# Altium PCB PCB.PcbDoc (part 7 of 10)
Units mil, origin at the board's own origin, x right, y up, seen from the top; angles counter-clockwise.
Board outline 3945.89 x 2165.35 mil, 8 copper layers (Component Side, PWR, Signal 1, Signal 2, GND1, Signal 3, GND2, Solder Side), stack 68.504 mil thick; 329 components, 323 nets, 1378 pads, 692 vias.
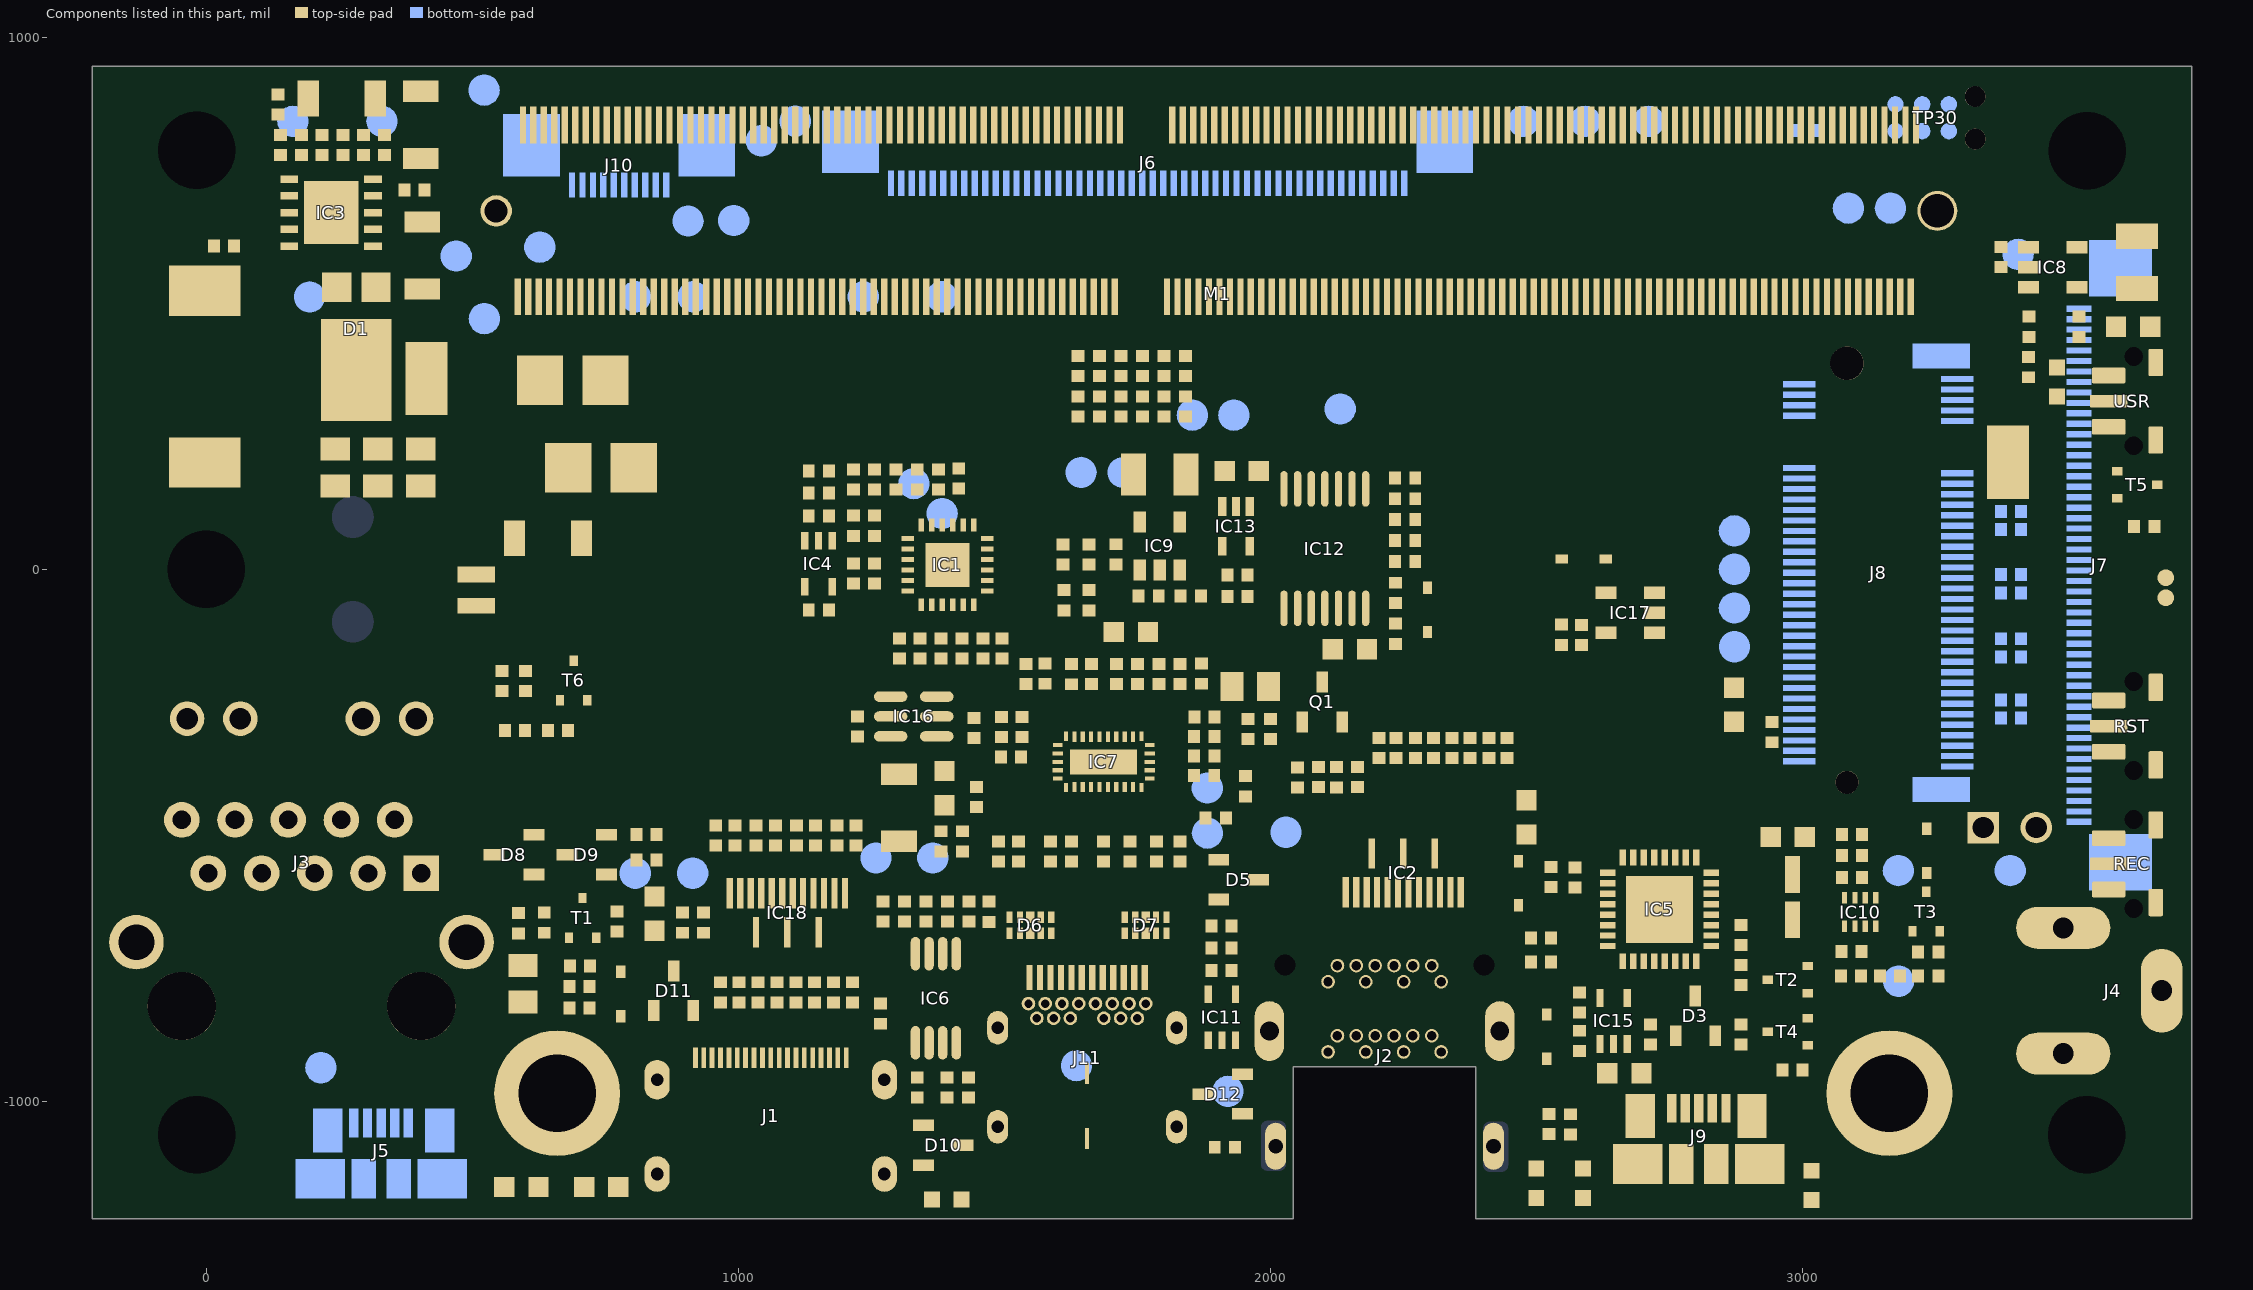
[diagram p13: the components of this part, seen from the top]

## Via types
v1: diameter 19.68, hole 5.91, Component Side to Solder Side, 599 vias
v2: diameter 23.62, hole 9.84, Component Side to Solder Side, 90 vias
v3: diameter 19.68, hole 7.87, Component Side to Solder Side, 3 vias

## Nets (pads, with @x,y where several pads share a name; then routed paths per layer and width w, separated by ;. In a path a pad name is that pad's centre, name@x,y a point inside that pad or via, vN(x,y) a via of type N, cw(c..) or ccw(c..) an arc to the next point about the centre after c; other vN are vias at no path point) (continued)
copper on no net: (continued)
  Solder Side w0.36: -155.36,362.06 -131.86,362.06 ; -155.36,362.42 -131.86,362.42 ; -155.36,362.79 -131.86,362.79 ; -155.36,363.15 -131.86,363.15 ; -155.36,363.51 -131.86,363.51 ; -155.36,363.87 -131.86,363.87 ; -155.36,364.23 -131.86,364.23 ; -155.36,364.59 -131.86,364.59 ; -155.36,364.95 -131.86,364.95 ; -155.36,365.32 -131.86,365.32 ; -155.36,365.68 -131.86,365.68 ; -155.36,366.04 -131.86,366.04 ; -155.36,366.4 -131.86,366.4 ; -155.36,366.76 -149.57,366.76 ; -154.99,367.12 -149.57,367.12 ; -154.99,367.49 -149.57,367.49 ; -154.99,367.85 -149.57,367.85 ; -154.99,368.21 -149.57,368.21 ; -154.99,368.57 -149.57,368.57 ; -154.99,368.93 -149.21,368.93 ; -154.99,369.29 -149.21,369.29 ; -154.99,369.65 -149.21,369.65 ; -154.63,354.11 -134.39,354.11 ; -154.63,370.02 -148.85,370.02 ; -154.63,370.38 -148.85,370.38 ; -154.63,370.74 -148.49,370.74 ; -154.27,353.75 -134.75,353.75 ; -154.27,371.1 -148.13,371.1 ; -154.27,371.46 -148.13,371.46 ; -154.27,371.82 -147.76,371.82 ; -153.91,353.39 -135.11,353.39 ; -153.91,354.47 -134.03,354.47 ; -153.91,372.18 -147.4,372.18 ; -153.91,372.55 -146.68,372.55 ; -153.55,353.03 -135.47,353.03 ; -153.55,354.83 -145.96,354.83 ; -153.55,372.91 -145.96,372.91 ; -153.55,373.27 -144.87,373.27 ; -153.19,352.66 -135.84,352.66 ; -153.19,355.19 -147.04,355.19 ; -153.19,373.63 -134.39,373.63 ; -152.83,352.3 -135.84,352.3 ; -152.83,355.56 -148.13,355.56 ; -152.83,373.99 -134.39,373.99 ; -152.46,351.94 -136.56,351.94 ; -152.46,355.92 -148.49,355.92 ; -152.46,374.35 -134.75,374.35 ; -152.1,374.72 -135.11,374.72 ; -152.1,375.08 -135.47,375.08 ; -151.74,351.58 -136.92,351.58 ; -151.74,356.28 -149.21,356.28 ; -151.74,375.44 -135.47,375.44 ; -151.38,356.64 -149.57,356.64 ; -151.02,351.22 -137.64,351.22 ; -151.02,357 -150.3,357 ; -151.02,375.8 -136.2,375.8 ; -150.66,376.16 -136.56,376.16 ; -150.3,350.86 -138.37,350.86 ; -150.3,376.52 -136.92,376.52 ; -149.57,350.5 -139.09,350.5 ; -149.57,376.88 -137.28,376.88 ; -148.85,377.25 -138,377.25 ; -148.49,350.13 -139.81,350.13 ; -148.13,377.61 -138.73,377.61 ; -147.4,349.77 -141.62,349.77 ; -147.4,377.97 -139.81,377.97 ; -145.96,378.33 -141.26,378.33 ; -142.7,354.83 -134.03,354.83 ; -141.98,373.27 -134.03,373.27 ; -141.26,355.19 -133.67,355.19 ; -140.9,372.91 -133.67,372.91 ; -140.53,355.56 -133.67,355.56 ; -140.17,355.92 -133.3,355.92 ; -140.17,372.55 -133.67,372.55 ; -139.81,372.18 -133.67,372.18 ; -139.45,356.28 -133.3,356.28 ; -139.45,371.82 -133.3,371.82 ; -139.09,356.64 -132.94,356.64 ; -139.09,371.46 -133.3,371.46 ; -138.73,357 -132.94,357 ; -138.73,357.36 -132.94,357.36 ; -138.73,371.1 -132.94,371.1 ; -138.37,357.73 -132.58,357.73 ; -138.37,358.09 -132.58,358.09 ; -138.37,370.38 -132.94,370.38 ; -138.37,370.74 -132.94,370.74 ; -138,358.45 -132.58,358.45 ; -138,358.81 -132.58,358.81 ; -138,369.65 -132.58,369.65 ; -138,370.02 -132.58,370.02 ; -137.64,359.17 -132.22,359.17 ; -137.64,359.53 -132.22,359.53 ; -137.64,359.89 -132.22,359.89 ; -137.64,360.26 -132.22,360.26 ; -137.64,367.85 -132.22,367.85 ; -137.64,368.21 -132.22,368.21 ; -137.64,368.57 -132.22,368.57 ; -137.64,368.93 -132.58,368.93 ; -137.64,369.29 -132.58,369.29 ; -137.28,360.62 -132.22,360.62 ; -137.28,360.98 -132.22,360.98 ; -137.28,361.34 -132.22,361.34 ; -137.28,361.7 -131.86,361.7 ; -137.28,366.76 -132.22,366.76 ; -137.28,367.12 -132.22,367.12 ; -137.28,367.49 -132.22,367.49 ; -130.05,354.47 -109.81,354.47 ; -130.05,373.63 -109.81,373.63 ; -129.69,354.11 -110.17,354.11 ; -129.69,373.99 -110.17,373.99 ; -129.33,353.75 -110.17,353.75 ; -129.33,354.83 -109.45,354.83 ; -129.33,373.27 -109.45,373.27 ; -129.33,374.35 -110.17,374.35 ; -128.97,353.39 -110.53,353.39 ; -128.97,355.19 -121.74,355.19 ; -128.97,372.91 -121.74,372.91 ; -128.97,374.72 -110.53,374.72 ; -128.61,353.03 -110.89,353.03 ; -128.61,355.56 -122.82,355.56 ; -128.61,372.55 -122.82,372.55 ; -128.61,375.08 -110.89,375.08 ; -128.24,352.66 -111.25,352.66 ; -128.24,355.92 -123.54,355.92 ; -128.24,372.18 -123.54,372.18 ; -128.24,375.44 -111.25,375.44 ; -127.88,352.3 -111.62,352.3 ; -127.88,356.28 -124.27,356.28 ; -127.88,371.82 -124.27,371.82 ; -127.88,375.8 -111.62,375.8 ; -127.52,351.94 -112.34,351.94 ; -127.52,356.64 -124.63,356.64 ; -127.52,371.46 -124.63,371.46 ; -127.16,357 -124.99,357 ; -127.16,371.1 -124.99,371.1 ; -127.16,376.16 -112.34,376.16 ; -126.8,351.58 -112.7,351.58 ; -126.8,357.36 -125.35,357.36 ; -126.8,370.74 -125.35,370.74 ; -126.8,376.52 -112.7,376.52 ; -126.44,357.73 -125.71,357.73 ; -126.44,370.38 -125.71,370.38 ; -126.08,351.22 -113.42,351.22 ; -126.08,376.88 -113.42,376.88 ; -125.71,350.86 -114.15,350.86 ; -125.71,377.25 -114.15,377.25 ; -124.63,350.5 -114.87,350.5 ; -124.63,377.61 -114.87,377.61 ; -124.63,472.68 -44.74,472.68 ; -124.63,473.04 -44.74,473.04 ; -124.63,473.4 -45.1,473.4 ; -124.63,473.76 -45.1,473.76 ; -124.63,474.12 -45.46,474.12 ; -124.63,474.49 -45.46,474.49 ; -124.63,474.85 -45.46,474.85 ; -124.63,475.21 -45.82,475.21 ; -124.63,475.57 -45.82,475.57 ; -124.63,475.93 -45.82,475.93 ; -124.63,476.29 -46.19,476.29 ; -124.63,476.66 -46.19,476.66 ; -124.63,477.02 -46.19,477.02 ; -124.63,477.38 -46.55,477.38 ; -124.63,477.74 -46.55,477.74 ; -124.63,478.1 -46.55,478.1 ; -124.63,478.46 -46.91,478.46 ; -124.63,478.82 -46.91,478.82 ; -124.63,479.19 -46.91,479.19 ; -124.63,479.55 -46.91,479.55 ; -124.63,479.91 -47.27,479.91 ; -124.63,480.27 -47.27,480.27 ; -124.63,480.63 -47.27,480.63 ; -124.63,480.99 -47.27,480.99 ; -124.63,481.35 -47.27,481.35 ; -124.63,481.72 -47.63,481.72 ; -124.63,482.08 -47.63,482.08 ; -124.63,482.44 -47.63,482.44 ; -124.63,482.8 -47.63,482.8 ; -124.63,483.16 -47.63,483.16 ; -124.63,483.52 -47.63,483.52 ; -124.63,483.89 -47.63,483.89 ; -124.63,484.25 -47.63,484.25 ; -124.63,484.61 -47.63,484.61 ; -124.63,484.97 -47.63,484.97 ; -124.63,485.33 -47.63,485.33 ; -124.63,485.69 -47.63,485.69 ; -124.63,486.05 -47.99,486.05 ; -124.63,486.42 -47.63,486.42 ; -124.63,486.78 -47.63,486.78 ; -124.63,487.14 -47.63,487.14 ; -124.63,487.5 -47.63,487.5 ; -124.63,487.86 -47.63,487.86 ; -124.63,488.22 -47.63,488.22 ; -124.63,488.58 -47.63,488.58 ; -124.63,488.95 -47.63,488.95 ; -124.63,489.31 -47.63,489.31 ; -124.63,489.67 -47.63,489.67 ; -124.63,490.03 -47.63,490.03 ; -124.63,490.39 -47.63,490.39 ; -124.63,490.75 -47.27,490.75 ; -124.63,491.12 -47.27,491.12 ; -124.63,491.48 -47.27,491.48 ; -124.63,491.84 -47.27,491.84 ; -124.63,492.2 -47.27,492.2 ; -124.63,492.56 -47.27,492.56 ; -124.63,492.92 -46.91,492.92 ; -124.63,493.28 -46.91,493.28 ; -124.63,493.65 -46.91,493.65 ; -124.63,494.01 -46.91,494.01 ; -124.63,494.37 -46.55,494.37 ; -124.63,494.73 -46.55,494.73 ; -124.63,495.09 -46.55,495.09 ; -124.63,495.45 -46.19,495.45 ; -124.63,495.81 -46.19,495.81 ; -124.63,496.18 -46.19,496.18 ; -124.63,496.54 -45.82,496.54 ; -124.63,496.9 -45.82,496.9 ; -124.63,497.26 -45.82,497.26 ; -124.63,497.62 -45.46,497.62 ; -124.63,497.98 -45.46,497.98 ; -124.63,498.34 -45.1,498.34 ; -124.63,498.71 -45.1,498.71 ; -124.63,499.07 -44.74,499.07 ; -124.63,499.43 -44.74,499.43 ; -124.63,499.79 -44.38,499.79 ; -124.63,500.15 -44.38,500.15 ; -124.27,316.88 -100.77,316.88 ; -124.27,317.24 -100.77,317.24 ; -124.27,317.6 -100.77,317.6 ; -124.27,317.96 -100.77,317.96 ; -124.27,318.32 -100.77,318.32 ; -124.27,319.05 -100.77,319.05 ; -124.27,319.41 -100.77,319.41 ; -124.27,319.77 -100.77,319.77 ; -124.27,320.13 -100.77,320.13 ; -124.27,320.49 -100.77,320.49 ; -124.27,320.85 -100.77,320.85 ; -124.27,471.96 -44.38,471.96 ; -124.27,472.32 -44.38,472.32 ; -124.27,500.51 -44.02,500.51 ; -123.91,318.68 -100.77,318.68 ; -123.91,321.21 -118.48,321.21 ; -123.91,321.58 -118.48,321.58 ; -123.91,321.94 -118.48,321.94 ; -123.91,322.3 -118.48,322.3 ; -123.91,322.66 -118.48,322.66 ; -123.91,323.02 -118.48,323.02 ; -123.91,323.38 -118.12,323.38 ; -123.91,323.75 -118.12,323.75 ; -123.91,324.11 -118.12,324.11 ; -123.91,350.13 -115.95,350.13 ; -123.91,500.88 -44.02,500.88 ; -123.54,324.47 -117.76,324.47 ; -123.54,324.83 -117.76,324.83 ; -123.54,325.19 -117.4,325.19 ; -123.54,325.55 -117.4,325.55 ; -123.54,377.97 -115.95,377.97 ; -123.54,471.59 -44.02,471.59 ; -123.18,308.56 -103.66,308.56 ; -123.18,308.92 -103.3,308.92 ; -123.18,325.91 -117.04,325.91 ; -123.18,326.28 -116.68,326.28 ; -122.82,308.2 -103.66,308.2 ; -122.82,309.29 -102.94,309.29 ; -122.82,326.64 -116.32,326.64 ; -122.82,327 -115.95,327 ; -122.46,307.84 -104.02,307.84 ; -122.46,309.65 -115.23,309.65 ; -122.46,327.36 -115.23,327.36 ; -122.46,327.72 -114.51,327.72 ; -122.46,349.77 -117.04,349.77 ; -122.46,378.33 -117.4,378.33 ; -122.46,501.24 -43.66,501.24 ; -122.1,307.48 -104.39,307.48 ; -122.1,328.08 -112.7,328.08 ; -122.1,328.44 -103.3,328.44 ; -122.1,471.23 -44.02,471.23 ; -121.74,307.12 -104.75,307.12 ; -121.74,310.01 -116.32,310.01 ; -121.74,328.81 -103.66,328.81 ; -121.38,306.76 -105.11,306.76 ; -121.38,310.37 -117.04,310.37 ; -121.38,329.17 -103.66,329.17 ; -121.01,310.73 -117.76,310.73 ; -121.01,329.53 -104.02,329.53 ; -120.65,306.39 -105.83,306.39 ; -120.65,311.09 -118.12,311.09 ; -120.65,329.89 -104.39,329.89 ; -120.65,501.6 -43.66,501.6 ; -120.29,306.03 -106.19,306.03 ; -120.29,311.45 -118.85,311.45 ; -120.29,330.25 -104.75,330.25 ; -120.29,470.87 -43.66,470.87 ; -119.93,311.82 -119.21,311.82 ; -119.93,330.61 -105.11,330.61 ; -119.57,305.67 -106.92,305.67 ; -119.57,330.97 -105.47,330.97 ; -118.85,305.31 -107.64,305.31 ; -118.85,331.34 -105.83,331.34 ; -118.85,501.96 -43.29,501.96 ; -118.48,331.7 -106.55,331.7 ; -118.12,355.19 -109.09,355.19 ; -118.12,372.91 -109.09,372.91 ; -118.12,470.51 -43.29,470.51 ; -117.76,304.95 -108.36,304.95 ; -117.76,332.06 -107.28,332.06 ; -117.04,332.42 -108,332.42 ; -117.04,355.56 -109.09,355.56 ; -117.04,372.55 -109.09,372.55 ; -116.68,304.59 -109.81,304.59 ; -116.68,502.32 -42.93,502.32 ; -116.32,355.92 -108.72,355.92 ; -116.32,372.18 -108.72,372.18 ; -116.32,470.15 -43.29,470.15 ; -115.59,332.78 -109.09,332.78 ; -115.59,356.28 -108.72,356.28 ; -115.59,371.82 -108.72,371.82 ; -115.23,356.64 -108.36,356.64 ; -115.23,371.46 -108.36,371.46 ; -114.87,357 -108.36,357 ; -114.87,371.1 -108.36,371.1 ; -114.87,502.68 -42.93,502.68 ; -114.51,357.36 -108,357.36 ; -114.51,370.74 -108.36,370.74 ; -114.51,469.79 -42.93,469.79 ; -114.15,357.73 -108,357.73 ; -114.15,370.38 -108,370.38 ; -113.78,304.22 -112.7,304.22 ; -113.78,333.14 -110.89,333.14 ; -113.78,358.09 -108,358.09 ; -113.78,358.45 -108,358.45 ; -113.78,369.65 -108,369.65 ; -113.78,370.02 -108,370.02 ; -113.42,358.81 -107.64,358.81 ; -113.42,359.17 -107.64,359.17 ; -113.42,359.53 -107.64,359.53 ; -113.42,368.57 -107.64,368.57 ; -113.42,368.93 -107.64,368.93 ; -113.42,369.29 -107.64,369.29 ; -113.06,359.89 -107.64,359.89 ; -113.06,360.26 -107.28,360.26 ; -113.06,360.62 -107.28,360.62 ; -113.06,360.98 -107.28,360.98 ; -113.06,367.12 -107.28,367.12 ; -113.06,367.49 -107.28,367.49 ; -113.06,367.85 -107.28,367.85 ; -113.06,368.21 -107.64,368.21 ; -113.06,503.04 -42.57,503.04 ; -112.7,361.34 -107.28,361.34 ; -112.7,361.7 -107.28,361.7 ; -112.7,362.06 -107.28,362.06 ; -112.7,362.42 -107.28,362.42 ; -112.7,362.79 -107.28,362.79 ; -112.7,363.15 -107.28,363.15 ; -112.7,363.51 -107.28,363.51 ; -112.7,363.87 -106.92,363.87 ; -112.7,364.23 -106.92,364.23 ; -112.7,364.59 -107.28,364.59 ; -112.7,364.95 -107.28,364.95 ; -112.7,365.32 -107.28,365.32 ; -112.7,365.68 -107.28,365.68 ; -112.7,366.04 -107.28,366.04 ; -112.7,366.4 -107.28,366.4 ; -112.7,366.76 -107.28,366.76 ; -112.34,469.43 -42.57,469.43 ; -111.98,328.08 -102.94,328.08 ; -110.89,309.65 -102.94,309.65 ; -110.89,503.41 -42.21,503.41 ; -110.53,469.06 -42.57,469.06 ; -110.17,327.72 -102.94,327.72 ; -109.81,310.01 -102.58,310.01 ; -109.45,327.36 -102.58,327.36 ; -109.09,310.37 -102.58,310.37 ; -109.09,503.77 -42.21,503.77 ; -108.72,310.73 -102.22,310.73 ; -108.72,327 -102.58,327 ; -108.72,468.7 -42.21,468.7 ; -108.36,311.09 -102.22,311.09 ; -108.36,326.64 -102.22,326.64 ; -108,311.45 -101.86,311.45 ; -108,326.28 -102.22,326.28 ; -107.64,311.82 -101.86,311.82 ; -107.64,325.91 -101.86,325.91 ; -107.28,312.18 -101.49,312.18 ; -107.28,312.54 -101.49,312.54 ; -107.28,325.19 -101.49,325.19 ; -107.28,325.55 -101.86,325.55 ; -107.28,376.16 -95.35,376.16 ; -107.28,376.52 -95.71,376.52 ; -106.92,312.9 -101.49,312.9 ; -106.92,313.26 -101.49,313.26 ; -106.92,324.47 -101.49,324.47 ; -106.92,324.83 -101.49,324.83 ; -106.92,375.8 -94.99,375.8 ; -106.92,376.88 -96.07,376.88 ; -106.92,504.13 -41.85,504.13 ; -106.55,313.62 -101.13,313.62 ; -106.55,313.98 -101.13,313.98 ; -106.55,314.35 -101.13,314.35 ; -106.55,314.71 -101.13,314.71 ; -106.55,323.02 -101.13,323.02 ; -106.55,323.38 -101.13,323.38 ; -106.55,323.75 -101.13,323.75 ; -106.55,324.11 -101.49,324.11 ; -106.55,375.44 -94.63,375.44 ; -106.55,468.34 -41.85,468.34 ; -106.19,315.07 -101.13,315.07 ; -106.19,315.43 -101.13,315.43 ; -106.19,315.79 -100.77,315.79 ; -106.19,316.15 -100.77,316.15 ; -106.19,316.52 -100.77,316.52 ; -106.19,321.21 -100.77,321.21 ; -106.19,321.58 -100.77,321.58 ; -106.19,321.94 -101.13,321.94 ; -106.19,322.3 -101.13,322.3 ; -106.19,322.66 -101.13,322.66 ; -106.19,375.08 -88.48,375.08 ; -106.19,377.25 -96.79,377.25 ; -105.83,374.72 -88.48,374.72 ; -105.47,373.99 -88.48,373.99 ; -105.47,374.35 -88.48,374.35 ; -105.47,377.61 -97.16,377.61 ; -105.11,373.63 -88.48,373.63 ; -105.11,504.49 -41.49,504.49 ; -104.75,373.27 -88.48,373.27 ; -104.75,377.97 -98.24,377.97 ; -104.75,467.98 -41.85,467.98 ; -104.39,372.91 -101.13,372.91 ; -104.02,372.55 -101.86,372.55 ; -103.66,371.82 -103.3,371.82 ; -103.66,372.18 -102.58,372.18 ; -103.66,378.33 -99.33,378.33 ; -103.3,420.99 -44.38,420.99 ; -103.3,421.35 -44.38,421.35 ; -103.3,504.85 -41.13,504.85 ; -103.3,551.12 67.68,551.12 ; -103.3,551.48 67.68,551.48 ; -102.94,420.26 -44.74,420.26 ; -102.94,420.62 -44.74,420.62 ; -102.94,421.71 -44.38,421.71 ; -102.94,422.07 -44.02,422.07 ; -102.94,550.4 67.32,550.4 ; -102.94,550.76 67.32,550.76 ; -102.94,551.85 67.32,551.85 ; -102.94,552.21 67.32,552.21 ; -102.58,419.9 -45.1,419.9 ; -102.58,422.43 -44.02,422.43 ; -102.58,422.79 -43.66,422.79 ; -102.58,467.62 -41.49,467.62 ; -102.58,550.04 66.96,550.04 ; -102.58,552.57 66.96,552.57 ; -102.22,419.54 -45.1,419.54 ; -102.22,423.15 -43.66,423.15 ; -102.22,549.31 66.6,549.31 ; -102.22,549.68 66.6,549.68 ; -102.22,552.93 66.6,552.93 ; -101.86,419.18 -45.1,419.18 ; -101.86,423.52 -43.29,423.52 ; -101.86,423.88 -43.29,423.88 ; -101.86,548.95 66.24,548.95 ; -101.86,553.29 66.24,553.29 ; -101.49,418.82 -45.46,418.82 ; -101.49,424.24 -43.29,424.24 ; -101.49,548.23 65.88,548.23 ; -101.49,548.59 65.88,548.59 ; -101.49,553.65 65.88,553.65 ; -101.13,418.46 -45.46,418.46 ; -101.13,424.6 -42.93,424.6 ; -101.13,424.96 -42.93,424.96 ; -101.13,505.21 -41.13,505.21 ; -101.13,547.87 65.51,547.87 ; -101.13,554.01 65.51,554.01 ; -100.77,418.09 -45.82,418.09 ; -100.77,425.32 -42.57,425.32 ; -100.77,467.26 -41.13,467.26 ; -100.77,547.15 65.15,547.15 ; -100.77,547.51 65.15,547.51 ; -100.77,554.38 65.15,554.38 ; -100.41,417.73 -45.82,417.73 ; -100.41,425.69 -42.57,425.69 ; -100.41,546.78 64.79,546.78 ; -100.41,554.74 64.79,554.74 ; -100.05,330.97 -88.12,330.97 ; -100.05,331.34 -88.48,331.34 ; -100.05,417.37 -46.19,417.37 ; -100.05,426.05 -42.57,426.05 ; -100.05,426.41 -42.21,426.41 ; -100.05,546.06 64.43,546.06 ; -100.05,546.42 64.43,546.42 ; -100.05,555.1 64.43,555.1 ; -99.69,330.61 -87.76,330.61 ; -99.69,331.7 -89.2,331.7 ; -99.69,417.01 -46.19,417.01 ; -99.69,426.77 -42.21,426.77 ; -99.69,545.7 64.07,545.7 ; -99.69,555.46 64.07,555.46 ; -99.33,329.89 -81.25,329.89 ; -99.33,330.25 -87.4,330.25 ; -99.33,416.65 -46.19,416.65 ; -99.33,427.13 -41.85,427.13 ; -99.33,427.49 -41.85,427.49 ; -99.33,505.57 -40.76,505.57 ; -99.33,544.98 63.71,544.98 ; -99.33,545.34 63.71,545.34 ; -99.33,555.82 -59.2,555.82 ; -98.96,329.53 -81.25,329.53 ; -98.96,332.06 -89.56,332.06 ; -98.96,416.29 -46.55,416.29 ; -98.96,427.85 -41.85,427.85 ; -98.96,466.9 -40.76,466.9 ; -98.96,544.62 63.35,544.62 ; -98.96,556.18 -59.92,556.18 ; -98.6,329.17 -81.25,329.17 ; -98.6,415.93 -46.55,415.93 ; -98.6,428.22 -41.49,428.22 ; -98.6,428.58 -41.49,428.58 ; -98.6,544.25 62.98,544.25 ; -98.6,556.54 -60.28,556.54 ; -98.24,328.81 -81.25,328.81 ; -98.24,332.42 -90.29,332.42 ; -98.24,372.91 -88.48,372.91 ; -98.24,415.56 -60.65,415.56 ; -98.24,428.94 -41.13,428.94 ; -98.24,543.53 62.62,543.53 ; -98.24,543.89 62.62,543.89 ; -98.24,556.91 -60.65,556.91 ; -97.88,328.44 -81.25,328.44 ; -97.88,415.2 -61.37,415.2 ; -97.88,429.3 -41.13,429.3 ; -97.88,429.66 -40.76,429.66 ; -97.88,543.17 62.26,543.17 ; -97.88,557.27 -61.37,557.27 ; -97.52,327.72 -93.18,327.72 ; -97.52,328.08 -81.25,328.08 ; -97.52,414.84 -62.09,414.84 ; -97.52,430.02 -40.76,430.02 ; -97.52,466.53 -40.4,466.53 ; -97.52,505.94 -40.4,505.94 ; -97.52,542.45 61.9,542.45 ; -97.52,542.81 61.9,542.81 ; -97.52,557.63 -61.73,557.63 ; -97.16,327.36 -94.63,327.36 ; -97.16,332.78 -91.37,332.78 ; -97.16,372.55 -88.48,372.55 ; -97.16,414.48 -62.45,414.48 ; -97.16,430.38 -40.76,430.38 ; -97.16,430.75 -40.4,430.75 ; -97.16,542.08 61.54,542.08 ; -97.16,557.99 -62.45,557.99 ; -96.79,327 -95.35,327 ; -96.79,414.12 -63.18,414.12 ; -96.79,431.11 -40.4,431.11 ; -96.79,465.81 -40.04,465.81 ; -96.79,466.17 -40.04,466.17 ; -96.79,506.3 -40.04,506.3 ; -96.79,541.36 61.18,541.36 ; -96.79,541.72 61.18,541.72 ; -96.79,558.35 -62.81,558.35 ; -96.43,326.64 -95.71,326.64 ; -96.43,372.18 -88.48,372.18 ; -96.43,413.76 -63.54,413.76 ; -96.43,431.47 -40.04,431.47 ; -96.43,465.45 -39.68,465.45 ; -96.43,541 60.82,541 ; -96.43,558.71 -63.54,558.71 ; -96.07,333.14 -93.18,333.14 ; -96.07,371.82 -88.48,371.82 ; -96.07,413.39 -64.26,413.39 ; -96.07,431.83 -40.04,431.83 ; -96.07,432.19 -40.04,432.19 ; -96.07,464.36 -38.23,464.36 ; -96.07,464.73 -38.96,464.73 ; -96.07,465.09 -39.32,465.09 ; -96.07,506.66 -39.68,506.66 ; -96.07,540.28 60.45,540.28 ; -96.07,540.64 60.45,540.64 ; -96.07,559.08 -63.9,559.08 ; -95.71,371.46 -88.48,371.46 ; -95.71,413.03 -64.62,413.03 ; -95.71,432.55 -39.68,432.55 ; -95.71,463.64 -37.51,463.64 ; -95.71,464 -37.87,464 ; -95.71,507.02 -39.32,507.02 ; -95.71,507.38 -38.96,507.38 ; -95.71,539.92 60.09,539.92 ; -95.71,559.44 -64.62,559.44 ; -95.35,371.1 -88.48,371.1 ; -95.35,412.67 -64.98,412.67 ; -95.35,432.92 -39.68,432.92 ; -95.35,433.28 -39.32,433.28 ; -95.35,462.56 -36.43,462.56 ; -95.35,462.92 -36.79,462.92 ; -95.35,463.28 -37.15,463.28 ; -95.35,507.74 -38.59,507.74 ; -95.35,508.1 -38.23,508.1 ; -95.35,539.19 59.73,539.19 ; -95.35,539.55 59.73,539.55 ; -95.35,559.8 -64.98,559.8 ; -94.99,370.74 -88.48,370.74 ; -94.99,412.31 -65.71,412.31 ; -94.99,433.64 -39.32,433.64 ; -94.99,461.83 -35.34,461.83 ; -94.99,462.2 -35.7,462.2 ; -94.99,508.47 -37.87,508.47 ; -94.99,508.83 -37.51,508.83 ; -94.99,509.19 -37.15,509.19 ; -94.99,538.83 59.37,538.83 ; -94.99,560.16 -65.71,560.16 ; -94.63,370.02 -88.48,370.02 ; -94.63,370.38 -88.48,370.38 ; -94.63,411.95 -66.07,411.95 ; -94.63,434 -38.96,434 ; -94.63,434.36 -38.96,434.36 ; -94.63,460.75 -33.9,460.75 ; -94.63,461.11 -34.26,461.11 ; -94.63,461.47 -34.98,461.47 ; -94.63,509.55 -36.43,509.55 ; -94.63,509.91 -36.06,509.91 ; -94.63,538.11 59.01,538.11 ; -94.63,538.47 59.01,538.47 ; -94.63,560.52 -66.07,560.52 ; -94.26,368.93 -88.48,368.93 ; -94.26,369.29 -88.48,369.29 ; -94.26,369.65 -88.48,369.65 ; -94.26,411.59 -66.79,411.59 ; -94.26,434.72 -38.96,434.72 ; -94.26,460.03 -32.81,460.03 ; -94.26,460.39 -33.53,460.39 ; -94.26,510.27 -35.7,510.27 ; -94.26,510.64 -34.98,510.64 ; -94.26,537.75 58.65,537.75 ; -94.26,560.88 -66.79,560.88 ; -93.9,350.13 -88.48,350.13 ; -93.9,350.5 -88.48,350.5 ; -93.9,350.86 -88.48,350.86 ; -93.9,351.22 -88.48,351.22 ; -93.9,351.58 -88.48,351.58 ; -93.9,351.94 -88.48,351.94 ; -93.9,352.3 -88.48,352.3 ; -93.9,352.66 -88.48,352.66 ; -93.9,353.03 -88.48,353.03 ; -93.9,353.39 -88.48,353.39 ; -93.9,353.75 -88.48,353.75 ; -93.9,354.11 -88.48,354.11 ; -93.9,354.47 -88.48,354.47 ; -93.9,354.83 -88.48,354.83 ; -93.9,355.19 -88.48,355.19 ; -93.9,355.56 -88.48,355.56 ; -93.9,355.92 -88.48,355.92 ; -93.9,356.28 -88.48,356.28 ; -93.9,356.64 -88.48,356.64 ; -93.9,357 -88.48,357 ; 